# KiCad board SparkFun_BMV080_panelized.kicad_pcb (continued)
## Placement (name value [footprint] x y rotation side) (continued)
kibuzzard-66BFBF23#45  G***  [kibuzzard-66BFBF23]  142.03 37.74 90 top
kibuzzard-66BFBF23#46  G***  [kibuzzard-66BFBF23]  142.03 50.94 90 top
kibuzzard-66BFBF23#47  G***  [kibuzzard-66BFBF23]  117.4 11.34 90 top
kibuzzard-66BFBF23#48  G***  [kibuzzard-66BFBF23]  117.4 37.74 90 top
kibuzzard-66BFBF23#49  G***  [kibuzzard-66BFBF23]  142.03 64.14 90 top
kibuzzard-66BFBF23#50  G***  [kibuzzard-66BFBF23]  142.03 77.34 90 top
kibuzzard-66BFBF23#51  G***  [kibuzzard-66BFBF23]  142.03 90.54 90 top
kibuzzard-66BFBF23#52  G***  [kibuzzard-66BFBF23]  142.03 103.74 90 top
kibuzzard-66BFBF23#53  G***  [kibuzzard-66BFBF23]  142.03 116.94 90 top
kibuzzard-66BFBF23#54  G***  [kibuzzard-66BFBF23]  18.88 11.34 90 top
kibuzzard-66BFBF70  G***  [kibuzzard-66BFBF70]  23.98 103.53 90 top
kibuzzard-66BFBF70#2  G***  [kibuzzard-66BFBF70]  23.98 24.33 90 top
kibuzzard-66BFBF70#3  G***  [kibuzzard-66BFBF70]  23.98 37.53 90 top
kibuzzard-66BFBF70#4  G***  [kibuzzard-66BFBF70]  23.98 50.73 90 top
kibuzzard-66BFBF70#5  G***  [kibuzzard-66BFBF70]  23.98 63.93 90 top
kibuzzard-66BFBF70#6  G***  [kibuzzard-66BFBF70]  23.98 77.13 90 top
kibuzzard-66BFBF70#7  G***  [kibuzzard-66BFBF70]  23.98 90.33 90 top
kibuzzard-66BFBF70#8  G***  [kibuzzard-66BFBF70]  23.98 116.73 90 top
kibuzzard-66BFBF70#9  G***  [kibuzzard-66BFBF70]  48.61 11.13 90 top
kibuzzard-66BFBF70#10  G***  [kibuzzard-66BFBF70]  48.61 24.33 90 top
kibuzzard-66BFBF70#11  G***  [kibuzzard-66BFBF70]  48.61 37.53 90 top
kibuzzard-66BFBF70#12  G***  [kibuzzard-66BFBF70]  48.61 103.53 90 top
kibuzzard-66BFBF70#13  G***  [kibuzzard-66BFBF70]  48.61 90.33 90 top
kibuzzard-66BFBF70#14  G***  [kibuzzard-66BFBF70]  73.24 77.13 90 top
kibuzzard-66BFBF70#15  G***  [kibuzzard-66BFBF70]  97.87 24.33 90 top
kibuzzard-66BFBF70#16  G***  [kibuzzard-66BFBF70]  97.87 63.93 90 top
kibuzzard-66BFBF70#17  G***  [kibuzzard-66BFBF70]  97.87 90.33 90 top
kibuzzard-66BFBF70#18  G***  [kibuzzard-66BFBF70]  97.87 116.73 90 top
kibuzzard-66BFBF70#19  G***  [kibuzzard-66BFBF70]  48.61 50.73 90 top
kibuzzard-66BFBF70#20  G***  [kibuzzard-66BFBF70]  73.24 90.33 90 top
kibuzzard-66BFBF70#21  G***  [kibuzzard-66BFBF70]  97.87 11.13 90 top
kibuzzard-66BFBF70#22  G***  [kibuzzard-66BFBF70]  97.87 37.53 90 top
kibuzzard-66BFBF70#23  G***  [kibuzzard-66BFBF70]  73.24 11.13 90 top
kibuzzard-66BFBF70#24  G***  [kibuzzard-66BFBF70]  48.61 77.13 90 top
kibuzzard-66BFBF70#25  G***  [kibuzzard-66BFBF70]  73.24 50.73 90 top
kibuzzard-66BFBF70#26  G***  [kibuzzard-66BFBF70]  48.61 116.73 90 top
kibuzzard-66BFBF70#27  G***  [kibuzzard-66BFBF70]  73.24 103.53 90 top
kibuzzard-66BFBF70#28  G***  [kibuzzard-66BFBF70]  73.24 24.33 90 top
kibuzzard-66BFBF70#29  G***  [kibuzzard-66BFBF70]  48.61 63.93 90 top
kibuzzard-66BFBF70#30  G***  [kibuzzard-66BFBF70]  73.24 37.53 90 top
kibuzzard-66BFBF70#31  G***  [kibuzzard-66BFBF70]  73.24 63.93 90 top
kibuzzard-66BFBF70#32  G***  [kibuzzard-66BFBF70]  73.24 116.73 90 top
kibuzzard-66BFBF70#33  G***  [kibuzzard-66BFBF70]  97.87 50.73 90 top
kibuzzard-66BFBF70#34  G***  [kibuzzard-66BFBF70]  97.87 77.13 90 top
kibuzzard-66BFBF70#35  G***  [kibuzzard-66BFBF70]  97.87 103.53 90 top
kibuzzard-66BFBF70#36  G***  [kibuzzard-66BFBF70]  122.5 50.73 90 top
kibuzzard-66BFBF70#37  G***  [kibuzzard-66BFBF70]  147.13 90.33 90 top
kibuzzard-66BFBF70#38  G***  [kibuzzard-66BFBF70]  122.5 24.33 90 top
kibuzzard-66BFBF70#39  G***  [kibuzzard-66BFBF70]  147.13 63.93 90 top
kibuzzard-66BFBF70#40  G***  [kibuzzard-66BFBF70]  147.13 77.13 90 top
kibuzzard-66BFBF70#41  G***  [kibuzzard-66BFBF70]  122.5 103.53 90 top
kibuzzard-66BFBF70#42  G***  [kibuzzard-66BFBF70]  122.5 11.13 90 top
kibuzzard-66BFBF70#43  G***  [kibuzzard-66BFBF70]  122.5 90.33 90 top
kibuzzard-66BFBF70#44  G***  [kibuzzard-66BFBF70]  147.13 11.13 90 top
kibuzzard-66BFBF70#45  G***  [kibuzzard-66BFBF70]  147.13 24.33 90 top
kibuzzard-66BFBF70#46  G***  [kibuzzard-66BFBF70]  147.13 37.53 90 top
kibuzzard-66BFBF70#47  G***  [kibuzzard-66BFBF70]  147.13 50.73 90 top
kibuzzard-66BFBF70#48  G***  [kibuzzard-66BFBF70]  147.13 116.73 90 top
kibuzzard-66BFBF70#49  G***  [kibuzzard-66BFBF70]  122.5 77.13 90 top
kibuzzard-66BFBF70#50  G***  [kibuzzard-66BFBF70]  122.5 116.73 90 top
kibuzzard-66BFBF70#51  G***  [kibuzzard-66BFBF70]  122.5 37.53 90 top
kibuzzard-66BFBF70#52  G***  [kibuzzard-66BFBF70]  122.5 63.93 90 top
kibuzzard-66BFBF70#53  G***  [kibuzzard-66BFBF70]  147.13 103.53 90 top
kibuzzard-66BFBF70#54  G***  [kibuzzard-66BFBF70]  23.98 11.13 90 top
kibuzzard-66BFBF70#55  G***  [kibuzzard-66BFBF70]  24 11.12 90 bottom
kibuzzard-66BFBF70#56  G***  [kibuzzard-66BFBF70]  24 63.92 90 bottom
kibuzzard-66BFBF70#57  G***  [kibuzzard-66BFBF70]  48.63 11.12 90 bottom
kibuzzard-66BFBF70#58  G***  [kibuzzard-66BFBF70]  48.63 24.32 90 bottom
kibuzzard-66BFBF70#59  G***  [kibuzzard-66BFBF70]  48.63 77.12 90 bottom
kibuzzard-66BFBF70#60  G***  [kibuzzard-66BFBF70]  48.63 103.52 90 bottom
kibuzzard-66BFBF70#61  G***  [kibuzzard-66BFBF70]  48.63 116.72 90 bottom
kibuzzard-66BFBF70#62  G***  [kibuzzard-66BFBF70]  24 24.32 90 bottom
kibuzzard-66BFBF70#63  G***  [kibuzzard-66BFBF70]  48.63 63.92 90 bottom
kibuzzard-66BFBF70#64  G***  [kibuzzard-66BFBF70]  24 116.72 90 bottom
kibuzzard-66BFBF70#65  G***  [kibuzzard-66BFBF70]  24 50.72 90 bottom
kibuzzard-66BFBF70#66  G***  [kibuzzard-66BFBF70]  24 77.12 90 bottom
kibuzzard-66BFBF70#67  G***  [kibuzzard-66BFBF70]  24 37.52 90 bottom
kibuzzard-66BFBF70#68  G***  [kibuzzard-66BFBF70]  24 90.32 90 bottom
kibuzzard-66BFBF70#69  G***  [kibuzzard-66BFBF70]  24 103.52 90 bottom
kibuzzard-66BFBF70#70  G***  [kibuzzard-66BFBF70]  48.63 37.52 90 bottom
kibuzzard-66BFBF70#71  G***  [kibuzzard-66BFBF70]  48.63 50.72 90 bottom
kibuzzard-66BFBF70#72  G***  [kibuzzard-66BFBF70]  48.63 90.32 90 bottom
kibuzzard-66BFBF70#73  G***  [kibuzzard-66BFBF70]  97.89 103.52 90 bottom
kibuzzard-66BFBF70#74  G***  [kibuzzard-66BFBF70]  73.26 37.52 90 bottom
kibuzzard-66BFBF70#75  G***  [kibuzzard-66BFBF70]  97.89 11.12 90 bottom
kibuzzard-66BFBF70#76  G***  [kibuzzard-66BFBF70]  73.26 116.72 90 bottom
kibuzzard-66BFBF70#77  G***  [kibuzzard-66BFBF70]  97.89 24.32 90 bottom
kibuzzard-66BFBF70#78  G***  [kibuzzard-66BFBF70]  122.52 63.92 90 bottom
kibuzzard-66BFBF70#79  G***  [kibuzzard-66BFBF70]  73.26 77.12 90 bottom
kibuzzard-66BFBF70#80  G***  [kibuzzard-66BFBF70]  73.26 50.72 90 bottom
kibuzzard-66BFBF70#81  G***  [kibuzzard-66BFBF70]  73.26 90.32 90 bottom
kibuzzard-66BFBF70#82  G***  [kibuzzard-66BFBF70]  73.26 11.12 90 bottom
kibuzzard-66BFBF70#83  G***  [kibuzzard-66BFBF70]  73.26 24.32 90 bottom
kibuzzard-66BFBF70#84  G***  [kibuzzard-66BFBF70]  73.26 103.52 90 bottom
kibuzzard-66BFBF70#85  G***  [kibuzzard-66BFBF70]  97.89 50.72 90 bottom
kibuzzard-66BFBF70#86  G***  [kibuzzard-66BFBF70]  97.89 63.92 90 bottom
kibuzzard-66BFBF70#87  G***  [kibuzzard-66BFBF70]  97.89 37.52 90 bottom
kibuzzard-66BFBF70#88  G***  [kibuzzard-66BFBF70]  97.89 77.12 90 bottom
kibuzzard-66BFBF70#89  G***  [kibuzzard-66BFBF70]  97.89 90.32 90 bottom
kibuzzard-66BFBF70#90  G***  [kibuzzard-66BFBF70]  73.26 63.92 90 bottom
kibuzzard-66BFBF70#91  G***  [kibuzzard-66BFBF70]  97.89 116.72 90 bottom
kibuzzard-66BFBF70#92  G***  [kibuzzard-66BFBF70]  122.52 11.12 90 bottom
kibuzzard-66BFBF70#93  G***  [kibuzzard-66BFBF70]  122.52 24.32 90 bottom
kibuzzard-66BFBF70#94  G***  [kibuzzard-66BFBF70]  122.52 37.52 90 bottom
kibuzzard-66BFBF70#95  G***  [kibuzzard-66BFBF70]  122.52 50.72 90 bottom
kibuzzard-66BFBF70#96  G***  [kibuzzard-66BFBF70]  147.15 77.12 90 bottom
kibuzzard-66BFBF70#97  G***  [kibuzzard-66BFBF70]  122.52 90.32 90 bottom
kibuzzard-66BFBF70#98  G***  [kibuzzard-66BFBF70]  122.52 103.52 90 bottom
kibuzzard-66BFBF70#99  G***  [kibuzzard-66BFBF70]  122.52 77.12 90 bottom
kibuzzard-66BFBF70#100  G***  [kibuzzard-66BFBF70]  147.15 116.72 90 bottom
kibuzzard-66BFBF70#101  G***  [kibuzzard-66BFBF70]  147.15 63.92 90 bottom
kibuzzard-66BFBF70#102  G***  [kibuzzard-66BFBF70]  147.15 37.52 90 bottom
kibuzzard-66BFBF70#103  G***  [kibuzzard-66BFBF70]  122.52 116.72 90 bottom
kibuzzard-66BFBF70#104  G***  [kibuzzard-66BFBF70]  147.15 24.32 90 bottom
kibuzzard-66BFBF70#105  G***  [kibuzzard-66BFBF70]  147.15 11.12 90 bottom
kibuzzard-66BFBF70#106  G***  [kibuzzard-66BFBF70]  147.15 50.72 90 bottom
kibuzzard-66BFBF70#107  G***  [kibuzzard-66BFBF70]  147.15 90.32 90 bottom
kibuzzard-66BFBF70#108  G***  [kibuzzard-66BFBF70]  147.15 103.52 90 bottom
kibuzzard-66BFC0D2  G***  [kibuzzard-66BFC0D2]  18.91 11.4 90 bottom
kibuzzard-66BFC0D2#2  G***  [kibuzzard-66BFC0D2]  43.54 51 90 bottom
kibuzzard-66BFC0D2#3  G***  [kibuzzard-66BFC0D2]  43.54 24.6 90 bottom
kibuzzard-66BFC0D2#4  G***  [kibuzzard-66BFC0D2]  18.91 37.8 90 bottom
kibuzzard-66BFC0D2#5  G***  [kibuzzard-66BFC0D2]  18.91 24.6 90 bottom
kibuzzard-66BFC0D2#6  G***  [kibuzzard-66BFC0D2]  18.91 64.2 90 bottom
kibuzzard-66BFC0D2#7  G***  [kibuzzard-66BFC0D2]  18.91 103.8 90 bottom
kibuzzard-66BFC0D2#8  G***  [kibuzzard-66BFC0D2]  43.54 37.8 90 bottom
kibuzzard-66BFC0D2#9  G***  [kibuzzard-66BFC0D2]  43.54 90.6 90 bottom
kibuzzard-66BFC0D2#10  G***  [kibuzzard-66BFC0D2]  68.17 64.2 90 bottom
kibuzzard-66BFC0D2#11  G***  [kibuzzard-66BFC0D2]  18.91 117 90 bottom
kibuzzard-66BFC0D2#12  G***  [kibuzzard-66BFC0D2]  18.91 51 90 bottom
kibuzzard-66BFC0D2#13  G***  [kibuzzard-66BFC0D2]  43.54 11.4 90 bottom
kibuzzard-66BFC0D2#14  G***  [kibuzzard-66BFC0D2]  18.91 77.4 90 bottom
kibuzzard-66BFC0D2#15  G***  [kibuzzard-66BFC0D2]  18.91 90.6 90 bottom
kibuzzard-66BFC0D2#16  G***  [kibuzzard-66BFC0D2]  43.54 64.2 90 bottom
kibuzzard-66BFC0D2#17  G***  [kibuzzard-66BFC0D2]  43.54 77.4 90 bottom
kibuzzard-66BFC0D2#18  G***  [kibuzzard-66BFC0D2]  43.54 103.8 90 bottom
kibuzzard-66BFC0D2#19  G***  [kibuzzard-66BFC0D2]  43.54 117 90 bottom
kibuzzard-66BFC0D2#20  G***  [kibuzzard-66BFC0D2]  68.17 11.4 90 bottom
kibuzzard-66BFC0D2#21  G***  [kibuzzard-66BFC0D2]  68.17 24.6 90 bottom
kibuzzard-66BFC0D2#22  G***  [kibuzzard-66BFC0D2]  68.17 37.8 90 bottom
kibuzzard-66BFC0D2#23  G***  [kibuzzard-66BFC0D2]  68.17 51 90 bottom
kibuzzard-66BFC0D2#24  G***  [kibuzzard-66BFC0D2]  68.17 77.4 90 bottom
kibuzzard-66BFC0D2#25  G***  [kibuzzard-66BFC0D2]  92.8 24.6 90 bottom
kibuzzard-66BFC0D2#26  G***  [kibuzzard-66BFC0D2]  92.8 11.4 90 bottom
kibuzzard-66BFC0D2#27  G***  [kibuzzard-66BFC0D2]  92.8 64.2 90 bottom
kibuzzard-66BFC0D2#28  G***  [kibuzzard-66BFC0D2]  68.17 90.6 90 bottom
kibuzzard-66BFC0D2#29  G***  [kibuzzard-66BFC0D2]  92.8 77.4 90 bottom
kibuzzard-66BFC0D2#30  G***  [kibuzzard-66BFC0D2]  92.8 103.8 90 bottom
kibuzzard-66BFC0D2#31  G***  [kibuzzard-66BFC0D2]  68.17 117 90 bottom
kibuzzard-66BFC0D2#32  G***  [kibuzzard-66BFC0D2]  92.8 51 90 bottom
kibuzzard-66BFC0D2#33  G***  [kibuzzard-66BFC0D2]  92.8 117 90 bottom
kibuzzard-66BFC0D2#34  G***  [kibuzzard-66BFC0D2]  92.8 90.6 90 bottom
kibuzzard-66BFC0D2#35  G***  [kibuzzard-66BFC0D2]  68.17 103.8 90 bottom
kibuzzard-66BFC0D2#36  G***  [kibuzzard-66BFC0D2]  92.8 37.8 90 bottom
kibuzzard-66BFC0D2#37  G***  [kibuzzard-66BFC0D2]  117.43 64.2 90 bottom
kibuzzard-66BFC0D2#38  G***  [kibuzzard-66BFC0D2]  142.06 24.6 90 bottom
kibuzzard-66BFC0D2#39  G***  [kibuzzard-66BFC0D2]  142.06 77.4 90 bottom
kibuzzard-66BFC0D2#40  G***  [kibuzzard-66BFC0D2]  117.43 51 90 bottom
kibuzzard-66BFC0D2#41  G***  [kibuzzard-66BFC0D2]  142.06 90.6 90 bottom
kibuzzard-66BFC0D2#42  G***  [kibuzzard-66BFC0D2]  117.43 77.4 90 bottom
kibuzzard-66BFC0D2#43  G***  [kibuzzard-66BFC0D2]  142.06 64.2 90 bottom
kibuzzard-66BFC0D2#44  G***  [kibuzzard-66BFC0D2]  117.43 24.6 90 bottom
kibuzzard-66BFC0D2#45  G***  [kibuzzard-66BFC0D2]  142.06 37.8 90 bottom
kibuzzard-66BFC0D2#46  G***  [kibuzzard-66BFC0D2]  117.43 117 90 bottom
kibuzzard-66BFC0D2#47  G***  [kibuzzard-66BFC0D2]  142.06 11.4 90 bottom
kibuzzard-66BFC0D2#48  G***  [kibuzzard-66BFC0D2]  142.06 117 90 bottom
kibuzzard-66BFC0D2#49  G***  [kibuzzard-66BFC0D2]  117.43 103.8 90 bottom
kibuzzard-66BFC0D2#50  G***  [kibuzzard-66BFC0D2]  117.43 11.4 90 bottom
kibuzzard-66BFC0D2#51  G***  [kibuzzard-66BFC0D2]  117.43 37.8 90 bottom
kibuzzard-66BFC0D2#52  G***  [kibuzzard-66BFC0D2]  117.43 90.6 90 bottom
kibuzzard-66BFC0D2#53  G***  [kibuzzard-66BFC0D2]  142.06 51 90 bottom
kibuzzard-66BFC0D2#54  G***  [kibuzzard-66BFC0D2]  142.06 103.8 90 bottom
kibuzzard-66BFC2FE  G***  [kibuzzard-66BFC2FE]  16.37 11.14 90 bottom
kibuzzard-66BFC2FE#2  G***  [kibuzzard-66BFC2FE]  65.63 24.34 90 bottom
kibuzzard-66BFC2FE#3  G***  [kibuzzard-66BFC2FE]  65.63 103.54 90 bottom
kibuzzard-66BFC2FE#4  G***  [kibuzzard-66BFC2FE]  90.26 11.14 90 bottom
kibuzzard-66BFC2FE#5  G***  [kibuzzard-66BFC2FE]  41 103.54 90 bottom
kibuzzard-66BFC2FE#6  G***  [kibuzzard-66BFC2FE]  65.63 37.54 90 bottom
kibuzzard-66BFC2FE#7  G***  [kibuzzard-66BFC2FE]  41 63.94 90 bottom
kibuzzard-66BFC2FE#8  G***  [kibuzzard-66BFC2FE]  90.26 103.54 90 bottom
kibuzzard-66BFC2FE#9  G***  [kibuzzard-66BFC2FE]  65.63 63.94 90 bottom
kibuzzard-66BFC2FE#10  G***  [kibuzzard-66BFC2FE]  41 116.74 90 bottom
kibuzzard-66BFC2FE#11  G***  [kibuzzard-66BFC2FE]  65.63 11.14 90 bottom
kibuzzard-66BFC2FE#12  G***  [kibuzzard-66BFC2FE]  90.26 90.34 90 bottom
kibuzzard-66BFC2FE#13  G***  [kibuzzard-66BFC2FE]  114.89 37.54 90 bottom
kibuzzard-66BFC2FE#14  G***  [kibuzzard-66BFC2FE]  65.63 90.34 90 bottom
kibuzzard-66BFC2FE#15  G***  [kibuzzard-66BFC2FE]  90.26 24.34 90 bottom
kibuzzard-66BFC2FE#16  G***  [kibuzzard-66BFC2FE]  114.89 116.74 90 bottom
kibuzzard-66BFC2FE#17  G***  [kibuzzard-66BFC2FE]  41 77.14 90 bottom
kibuzzard-66BFC2FE#18  G***  [kibuzzard-66BFC2FE]  65.63 77.14 90 bottom
kibuzzard-66BFC2FE#19  G***  [kibuzzard-66BFC2FE]  41 90.34 90 bottom
kibuzzard-66BFC2FE#20  G***  [kibuzzard-66BFC2FE]  65.63 50.74 90 bottom
kibuzzard-66BFC2FE#21  G***  [kibuzzard-66BFC2FE]  65.63 116.74 90 bottom
kibuzzard-66BFC2FE#22  G***  [kibuzzard-66BFC2FE]  90.26 37.54 90 bottom
kibuzzard-66BFC2FE#23  G***  [kibuzzard-66BFC2FE]  90.26 77.14 90 bottom
kibuzzard-66BFC2FE#24  G***  [kibuzzard-66BFC2FE]  90.26 63.94 90 bottom
kibuzzard-66BFC2FE#25  G***  [kibuzzard-66BFC2FE]  90.26 50.74 90 bottom
kibuzzard-66BFC2FE#26  G***  [kibuzzard-66BFC2FE]  114.89 11.14 90 bottom
kibuzzard-66BFC2FE#27  G***  [kibuzzard-66BFC2FE]  114.89 24.34 90 bottom
kibuzzard-66BFC2FE#28  G***  [kibuzzard-66BFC2FE]  114.89 50.74 90 bottom
kibuzzard-66BFC2FE#29  G***  [kibuzzard-66BFC2FE]  90.26 116.74 90 bottom
kibuzzard-66BFC2FE#30  G***  [kibuzzard-66BFC2FE]  114.89 63.94 90 bottom
kibuzzard-66BFC2FE#31  G***  [kibuzzard-66BFC2FE]  114.89 77.14 90 bottom
kibuzzard-66BFC2FE#32  G***  [kibuzzard-66BFC2FE]  114.89 90.34 90 bottom
kibuzzard-66BFC2FE#33  G***  [kibuzzard-66BFC2FE]  114.89 103.54 90 bottom
kibuzzard-66BFC2FE#34  G***  [kibuzzard-66BFC2FE]  139.52 11.14 90 bottom
kibuzzard-66BFC2FE#35  G***  [kibuzzard-66BFC2FE]  139.52 24.34 90 bottom
kibuzzard-66BFC2FE#36  G***  [kibuzzard-66BFC2FE]  139.52 116.74 90 bottom
kibuzzard-66BFC2FE#37  G***  [kibuzzard-66BFC2FE]  139.52 50.74 90 bottom
kibuzzard-66BFC2FE#38  G***  [kibuzzard-66BFC2FE]  139.52 63.94 90 bottom
kibuzzard-66BFC2FE#39  G***  [kibuzzard-66BFC2FE]  139.52 103.54 90 bottom
kibuzzard-66BFC2FE#40  G***  [kibuzzard-66BFC2FE]  139.52 37.54 90 bottom
kibuzzard-66BFC2FE#41  G***  [kibuzzard-66BFC2FE]  139.52 90.34 90 bottom
kibuzzard-66BFC2FE#42  G***  [kibuzzard-66BFC2FE]  139.52 77.14 90 bottom
kibuzzard-66BFC2FE#43  G***  [kibuzzard-66BFC2FE]  16.37 24.34 90 bottom
kibuzzard-66BFC2FE#44  G***  [kibuzzard-66BFC2FE]  16.37 77.14 90 bottom
kibuzzard-66BFC2FE#45  G***  [kibuzzard-66BFC2FE]  16.37 103.54 90 bottom
kibuzzard-66BFC2FE#46  G***  [kibuzzard-66BFC2FE]  16.37 116.74 90 bottom
kibuzzard-66BFC2FE#47  G***  [kibuzzard-66BFC2FE]  41 11.14 90 bottom
kibuzzard-66BFC2FE#48  G***  [kibuzzard-66BFC2FE]  16.37 50.74 90 bottom
kibuzzard-66BFC2FE#49  G***  [kibuzzard-66BFC2FE]  16.37 90.34 90 bottom
kibuzzard-66BFC2FE#50  G***  [kibuzzard-66BFC2FE]  16.37 37.54 90 bottom
kibuzzard-66BFC2FE#51  G***  [kibuzzard-66BFC2FE]  41 24.34 90 bottom
kibuzzard-66BFC2FE#52  G***  [kibuzzard-66BFC2FE]  41 37.54 90 bottom
kibuzzard-66BFC2FE#53  G***  [kibuzzard-66BFC2FE]  41 50.74 90 bottom
kibuzzard-66BFC2FE#54  G***  [kibuzzard-66BFC2FE]  16.37 63.94 90 bottom
kibuzzard-66BFC09F  G***  [kibuzzard-66BFC09F]  9.01 8.74 180 bottom
kibuzzard-66BFC09F#2  G***  [kibuzzard-66BFC09F]  9.01 21.94 180 bottom
kibuzzard-66BFC09F#3  G***  [kibuzzard-66BFC09F]  9.01 61.54 180 bottom
kibuzzard-66BFC09F#4  G***  [kibuzzard-66BFC09F]  9.01 48.34 180 bottom
kibuzzard-66BFC09F#5  G***  [kibuzzard-66BFC09F]  9.01 74.74 180 bottom
kibuzzard-66BFC09F#6  G***  [kibuzzard-66BFC09F]  9.01 87.94 180 bottom
kibuzzard-66BFC09F#7  G***  [kibuzzard-66BFC09F]  9.01 101.14 180 bottom
kibuzzard-66BFC09F#8  G***  [kibuzzard-66BFC09F]  9.01 114.34 180 bottom
kibuzzard-66BFC09F#9  G***  [kibuzzard-66BFC09F]  33.64 8.74 180 bottom
kibuzzard-66BFC09F#10  G***  [kibuzzard-66BFC09F]  33.64 21.94 180 bottom
kibuzzard-66BFC09F#11  G***  [kibuzzard-66BFC09F]  9.01 35.14 180 bottom
kibuzzard-66BFC09F#12  G***  [kibuzzard-66BFC09F]  58.27 87.94 180 bottom
kibuzzard-66BFC09F#13  G***  [kibuzzard-66BFC09F]  82.9 8.74 180 bottom
kibuzzard-66BFC09F#14  G***  [kibuzzard-66BFC09F]  58.27 21.94 180 bottom
kibuzzard-66BFC09F#15  G***  [kibuzzard-66BFC09F]  33.64 74.74 180 bottom
kibuzzard-66BFC09F#16  G***  [kibuzzard-66BFC09F]  82.9 21.94 180 bottom
kibuzzard-66BFC09F#17  G***  [kibuzzard-66BFC09F]  33.64 87.94 180 bottom
kibuzzard-66BFC09F#18  G***  [kibuzzard-66BFC09F]  58.27 101.14 180 bottom
kibuzzard-66BFC09F#19  G***  [kibuzzard-66BFC09F]  82.9 114.34 180 bottom
kibuzzard-66BFC09F#20  G***  [kibuzzard-66BFC09F]  33.64 101.14 180 bottom
kibuzzard-66BFC09F#21  G***  [kibuzzard-66BFC09F]  33.64 48.34 180 bottom
kibuzzard-66BFC09F#22  G***  [kibuzzard-66BFC09F]  33.64 61.54 180 bottom
kibuzzard-66BFC09F#23  G***  [kibuzzard-66BFC09F]  58.27 8.74 180 bottom
kibuzzard-66BFC09F#24  G***  [kibuzzard-66BFC09F]  58.27 35.14 180 bottom
kibuzzard-66BFC09F#25  G***  [kibuzzard-66BFC09F]  33.64 35.14 180 bottom
kibuzzard-66BFC09F#26  G***  [kibuzzard-66BFC09F]  58.27 48.34 180 bottom
kibuzzard-66BFC09F#27  G***  [kibuzzard-66BFC09F]  33.64 114.34 180 bottom
kibuzzard-66BFC09F#28  G***  [kibuzzard-66BFC09F]  58.27 61.54 180 bottom
kibuzzard-66BFC09F#29  G***  [kibuzzard-66BFC09F]  58.27 74.74 180 bottom
kibuzzard-66BFC09F#30  G***  [kibuzzard-66BFC09F]  58.27 114.34 180 bottom
kibuzzard-66BFC09F#31  G***  [kibuzzard-66BFC09F]  82.9 35.14 180 bottom
kibuzzard-66BFC09F#32  G***  [kibuzzard-66BFC09F]  82.9 48.34 180 bottom
kibuzzard-66BFC09F#33  G***  [kibuzzard-66BFC09F]  82.9 61.54 180 bottom
kibuzzard-66BFC09F#34  G***  [kibuzzard-66BFC09F]  82.9 74.74 180 bottom
kibuzzard-66BFC09F#35  G***  [kibuzzard-66BFC09F]  82.9 101.14 180 bottom
kibuzzard-66BFC09F#36  G***  [kibuzzard-66BFC09F]  82.9 87.94 180 bottom
kibuzzard-66BFC09F#37  G***  [kibuzzard-66BFC09F]  107.53 35.14 180 bottom
kibuzzard-66BFC09F#38  G***  [kibuzzard-66BFC09F]  132.16 35.14 180 bottom
kibuzzard-66BFC09F#39  G***  [kibuzzard-66BFC09F]  132.16 87.94 180 bottom
kibuzzard-66BFC09F#40  G***  [kibuzzard-66BFC09F]  107.53 61.54 180 bottom
kibuzzard-66BFC09F#41  G***  [kibuzzard-66BFC09F]  107.53 101.14 180 bottom
kibuzzard-66BFC09F#42  G***  [kibuzzard-66BFC09F]  132.16 114.34 180 bottom
kibuzzard-66BFC09F#43  G***  [kibuzzard-66BFC09F]  132.16 74.74 180 bottom
kibuzzard-66BFC09F#44  G***  [kibuzzard-66BFC09F]  107.53 114.34 180 bottom
kibuzzard-66BFC09F#45  G***  [kibuzzard-66BFC09F]  107.53 48.34 180 bottom
kibuzzard-66BFC09F#46  G***  [kibuzzard-66BFC09F]  132.16 8.74 180 bottom
kibuzzard-66BFC09F#47  G***  [kibuzzard-66BFC09F]  107.53 87.94 180 bottom
kibuzzard-66BFC09F#48  G***  [kibuzzard-66BFC09F]  132.16 21.94 180 bottom
kibuzzard-66BFC09F#49  G***  [kibuzzard-66BFC09F]  107.53 8.74 180 bottom
kibuzzard-66BFC09F#50  G***  [kibuzzard-66BFC09F]  107.53 21.94 180 bottom
kibuzzard-66BFC09F#51  G***  [kibuzzard-66BFC09F]  107.53 74.74 180 bottom
kibuzzard-66BFC09F#52  G***  [kibuzzard-66BFC09F]  132.16 48.34 180 bottom
kibuzzard-66BFC09F#53  G***  [kibuzzard-66BFC09F]  132.16 61.54 180 bottom
kibuzzard-66BFC09F#54  G***  [kibuzzard-66BFC09F]  132.16 101.14 180 bottom
kibuzzard-66BFC045  G***  [kibuzzard-66BFC045]  35.91 77.04 90 top
kibuzzard-66BFC045#2  G***  [kibuzzard-66BFC045]  11.28 77.04 90 top
kibuzzard-66BFC045#3  G***  [kibuzzard-66BFC045]  35.91 116.64 90 top
kibuzzard-66BFC045#4  G***  [kibuzzard-66BFC045]  60.54 37.44 90 top
kibuzzard-66BFC045#5  G***  [kibuzzard-66BFC045]  35.91 37.44 90 top
kibuzzard-66BFC045#6  G***  [kibuzzard-66BFC045]  60.54 11.04 90 top
kibuzzard-66BFC045#7  G***  [kibuzzard-66BFC045]  35.91 50.64 90 top
kibuzzard-66BFC045#8  G***  [kibuzzard-66BFC045]  60.54 103.44 90 top
kibuzzard-66BFC045#9  G***  [kibuzzard-66BFC045]  85.17 24.24 90 top
kibuzzard-66BFC045#10  G***  [kibuzzard-66BFC045]  11.28 103.44 90 top
kibuzzard-66BFC045#11  G***  [kibuzzard-66BFC045]  11.28 63.84 90 top
kibuzzard-66BFC045#12  G***  [kibuzzard-66BFC045]  60.54 116.64 90 top
kibuzzard-66BFC045#13  G***  [kibuzzard-66BFC045]  35.91 11.04 90 top
kibuzzard-66BFC045#14  G***  [kibuzzard-66BFC045]  35.91 24.24 90 top
kibuzzard-66BFC045#15  G***  [kibuzzard-66BFC045]  11.28 90.24 90 top
kibuzzard-66BFC045#16  G***  [kibuzzard-66BFC045]  11.28 50.64 90 top
kibuzzard-66BFC045#17  G***  [kibuzzard-66BFC045]  11.28 116.64 90 top
kibuzzard-66BFC045#18  G***  [kibuzzard-66BFC045]  35.91 63.84 90 top
kibuzzard-66BFC045#19  G***  [kibuzzard-66BFC045]  35.91 103.44 90 top
kibuzzard-66BFC045#20  G***  [kibuzzard-66BFC045]  35.91 90.24 90 top
kibuzzard-66BFC045#21  G***  [kibuzzard-66BFC045]  60.54 24.24 90 top
kibuzzard-66BFC045#22  G***  [kibuzzard-66BFC045]  60.54 50.64 90 top
kibuzzard-66BFC045#23  G***  [kibuzzard-66BFC045]  60.54 63.84 90 top
kibuzzard-66BFC045#24  G***  [kibuzzard-66BFC045]  60.54 77.04 90 top
kibuzzard-66BFC045#25  G***  [kibuzzard-66BFC045]  60.54 90.24 90 top
kibuzzard-66BFC045#26  G***  [kibuzzard-66BFC045]  85.17 11.04 90 top
kibuzzard-66BFC045#27  G***  [kibuzzard-66BFC045]  85.17 37.44 90 top
kibuzzard-66BFC045#28  G***  [kibuzzard-66BFC045]  85.17 50.64 90 top
kibuzzard-66BFC045#29  G***  [kibuzzard-66BFC045]  85.17 77.04 90 top
kibuzzard-66BFC045#30  G***  [kibuzzard-66BFC045]  85.17 90.24 90 top
kibuzzard-66BFC045#31  G***  [kibuzzard-66BFC045]  85.17 116.64 90 top
kibuzzard-66BFC045#32  G***  [kibuzzard-66BFC045]  85.17 63.84 90 top
kibuzzard-66BFC045#33  G***  [kibuzzard-66BFC045]  109.8 11.04 90 top
kibuzzard-66BFC045#34  G***  [kibuzzard-66BFC045]  85.17 103.44 90 top
kibuzzard-66BFC045#35  G***  [kibuzzard-66BFC045]  109.8 24.24 90 top
kibuzzard-66BFC045#36  G***  [kibuzzard-66BFC045]  109.8 37.44 90 top
kibuzzard-66BFC045#37  G***  [kibuzzard-66BFC045]  11.28 24.24 90 top
kibuzzard-66BFC045#38  G***  [kibuzzard-66BFC045]  11.28 37.44 90 top
kibuzzard-66BFC045#39  G***  [kibuzzard-66BFC045]  134.43 37.44 90 top
kibuzzard-66BFC045#40  G***  [kibuzzard-66BFC045]  109.8 103.44 90 top
kibuzzard-66BFC045#41  G***  [kibuzzard-66BFC045]  134.43 77.04 90 top
kibuzzard-66BFC045#42  G***  [kibuzzard-66BFC045]  109.8 90.24 90 top
kibuzzard-66BFC045#43  G***  [kibuzzard-66BFC045]  109.8 116.64 90 top
kibuzzard-66BFC045#44  G***  [kibuzzard-66BFC045]  134.43 24.24 90 top
kibuzzard-66BFC045#45  G***  [kibuzzard-66BFC045]  109.8 50.64 90 top
kibuzzard-66BFC045#46  G***  [kibuzzard-66BFC045]  134.43 90.24 90 top
kibuzzard-66BFC045#47  G***  [kibuzzard-66BFC045]  134.43 63.84 90 top
kibuzzard-66BFC045#48  G***  [kibuzzard-66BFC045]  134.43 50.64 90 top
kibuzzard-66BFC045#49  G***  [kibuzzard-66BFC045]  134.43 103.44 90 top
kibuzzard-66BFC045#50  G***  [kibuzzard-66BFC045]  134.43 11.04 90 top
kibuzzard-66BFC045#51  G***  [kibuzzard-66BFC045]  109.8 63.84 90 top
kibuzzard-66BFC045#52  G***  [kibuzzard-66BFC045]  109.8 77.04 90 top
kibuzzard-66BFC045#53  G***  [kibuzzard-66BFC045]  134.43 116.64 90 top
kibuzzard-66BFC045#54  G***  [kibuzzard-66BFC045]  11.28 11.04 90 top
kibuzzard-66BFC108  G***  [kibuzzard-66BFC108]  13.82 11.4 90 bottom
kibuzzard-66BFC108#2  G***  [kibuzzard-66BFC108]  13.82 103.8 90 bottom
kibuzzard-66BFC108#3  G***  [kibuzzard-66BFC108]  38.45 11.4 90 bottom
kibuzzard-66BFC108#4  G***  [kibuzzard-66BFC108]  38.45 37.8 90 bottom
kibuzzard-66BFC108#5  G***  [kibuzzard-66BFC108]  13.82 37.8 90 bottom
kibuzzard-66BFC108#6  G***  [kibuzzard-66BFC108]  13.82 24.6 90 bottom
kibuzzard-66BFC108#7  G***  [kibuzzard-66BFC108]  13.82 64.2 90 bottom
kibuzzard-66BFC108#8  G***  [kibuzzard-66BFC108]  13.82 51 90 bottom
kibuzzard-66BFC108#9  G***  [kibuzzard-66BFC108]  13.82 77.4 90 bottom
kibuzzard-66BFC108#10  G***  [kibuzzard-66BFC108]  38.45 24.6 90 bottom
kibuzzard-66BFC108#11  G***  [kibuzzard-66BFC108]  13.82 90.6 90 bottom
kibuzzard-66BFC108#12  G***  [kibuzzard-66BFC108]  13.82 117 90 bottom
kibuzzard-66BFC108#13  G***  [kibuzzard-66BFC108]  63.08 37.8 90 bottom
